# Altium PCB WordClock_v20.PcbDoc
Units mm, origin at the board's own origin, x right, y up, seen from the top; angles counter-clockwise.
Board outline 178 x 179 mm, 2 copper layers (Top Layer, Bottom Layer), stack 1.571 mm thick; 137 components, 77 nets, 367 pads, 33 vias.
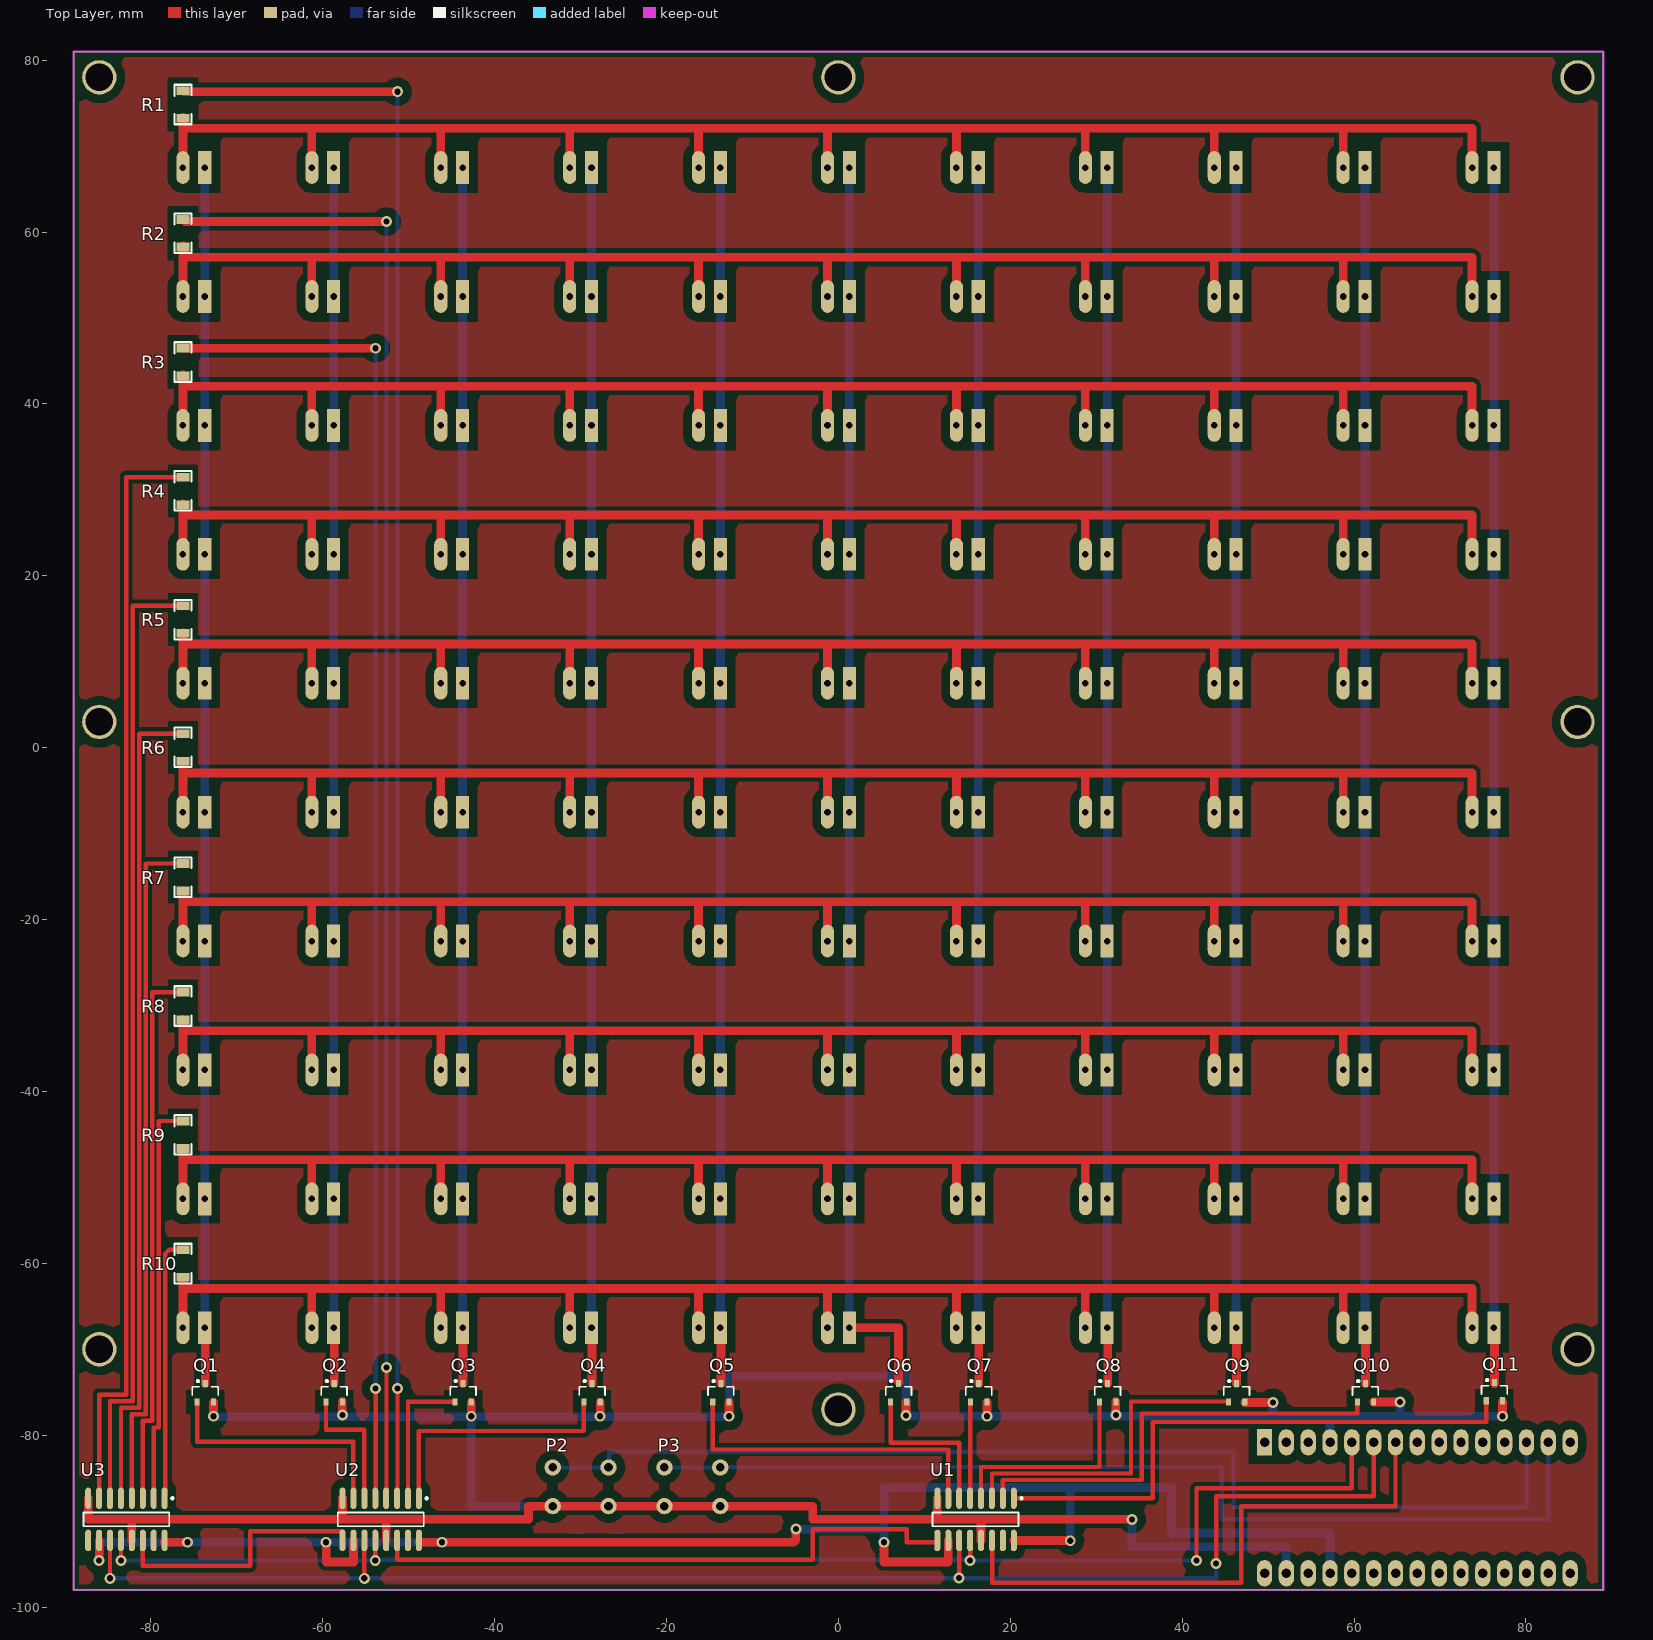
[diagram p0: Top Layer view]
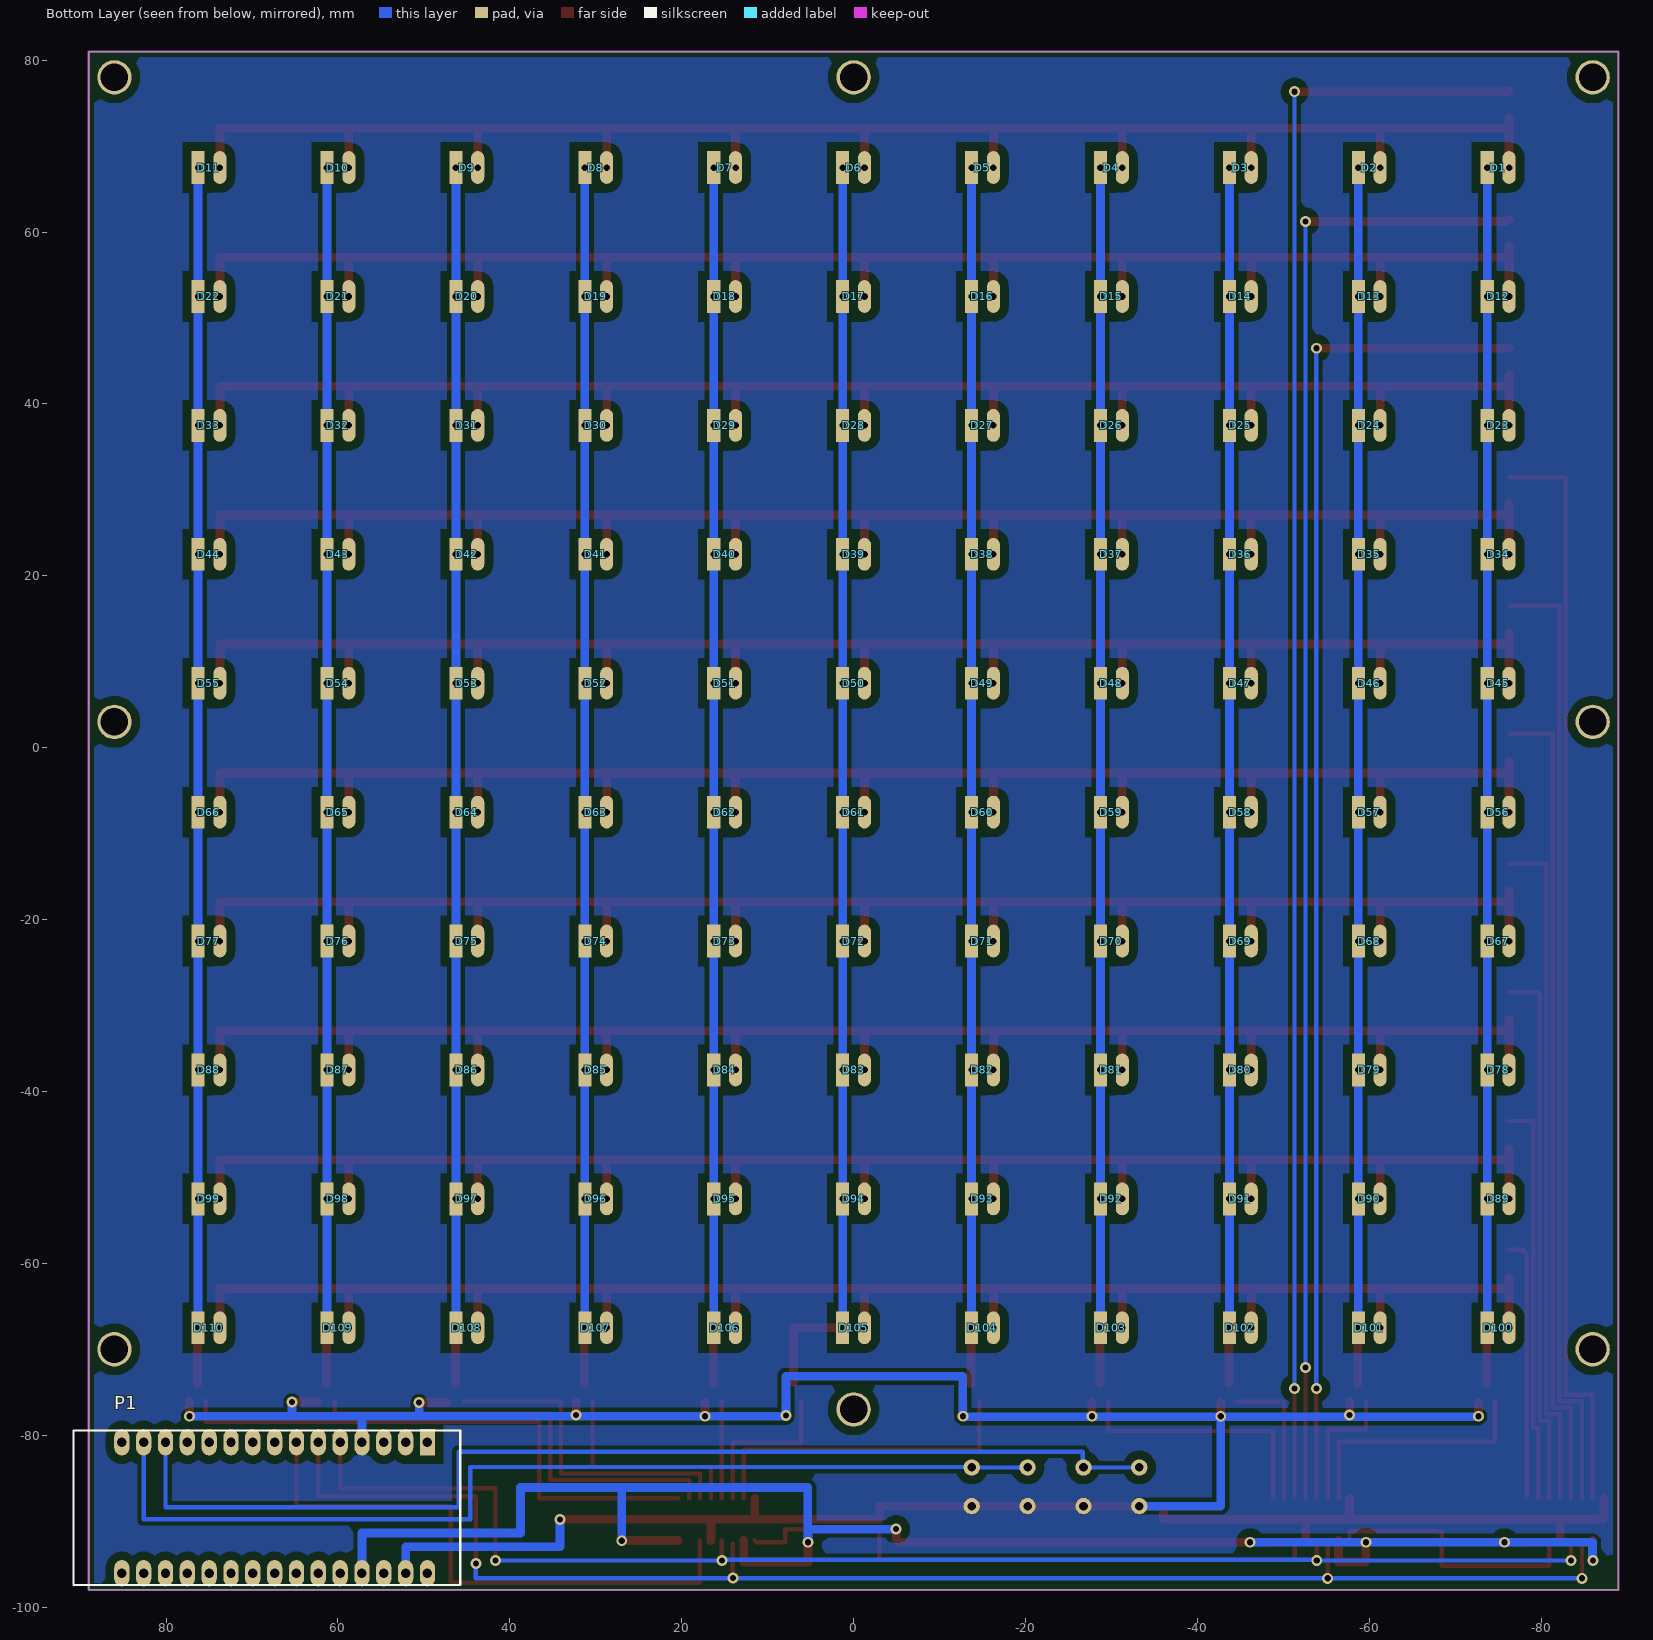
[diagram p1: Bottom Layer view, seen from below]

## Layer stack, top to bottom
Top Solder: solder mask 0.0102, Solder Resist, Dk 3.5
Top Layer: signal copper 0.0356
Dielectric1: core 1.5, FR-4, Dk 4.8
Bottom Layer: signal copper 0.0356
Bottom Solder: solder mask 0.0102, Solder Resist, Dk 3.5

## Board outline
-89,-98 -89,81 89,81 89,-98

## Design rules (kind name [scope] priority, off if disabled: settings)
AssemblyTestPointUsage [All] p1 off:
AssemblyTestpoint [All] p1 off: testpointundercomponent=TRUE minsize=1.016 maxsize=2.54 preferedsize=1.524 minholesize=0 maxholesize=1.016 preferedholesize=0.813 testpointgrid=0.025 usegrid=TRUE gridtolerance=0 allowsidetop=TRUE allowsidebottom=TRUE
Clearance [All] p1: gap=0.254 except(0.508: Track-Poly; 1.016: Arc-Poly SMDPad-Poly THPad-Poly Via-Via Via-Fill Via-Poly Via-Region Via-Text Fill-Poly Poly-Poly)
DiffPairsRouting [All] p1 off: maxlimit=0.254 minlimit=0.254 mostfreqgap=0.254 toplayer_minwidth=0.381 toplayer_maxwidth=0.381 toplayer_prefwidth=0.381 bottomlayer_minwidth=0.381 bottomlayer_maxwidth=0.381 bottomlayer_prefwidth=0.381 maxuncoupledlength=12.7
FabricationTestPointUsage [All] p1 off: valid=0 allowmultiple=FALSE
FabricationTestpoint [All] p1 off: side=3 testpointundercomponent=TRUE minsize=1.016 maxsize=2.54 preferedsize=1.524 minholesize=0 maxholesize=1.016 preferedholesize=0.813 testpointgrid=0.025 allowsidetop=TRUE allowsidebottom=TRUE usegrid=TRUE gridtolerance=0
FanoutControl Fanout_BGA [IsBGA] p1 off: bgadir=Out bgaviamode=Centered fanoutstyle=Auto fanoutdirection=Alternating viagrid=0.025 // Fanout_BGA (Default Rule)
FanoutControl Fanout_LCC [IsLCC] p2 off: bgadir=Out bgaviamode=Centered fanoutstyle=Auto fanoutdirection=Alternating viagrid=0.025 // Fanout_LCC (Default Rule)
FanoutControl Fanout_SOIC [IsSOIC] p3 off: bgadir=Out bgaviamode=Centered fanoutstyle=Auto fanoutdirection=Alternating viagrid=0.025 // Fanout_SOIC (Default Rule)
FanoutControl Fanout_Small [(CompPinCount < 5)] p4 off: bgadir=Out bgaviamode=Centered fanoutstyle=Auto fanoutdirection=OutThenIn viagrid=0.025 // Fanout_Small (Default Rule)
FanoutControl Fanout_Default [All] p5 off: bgadir=Out bgaviamode=Centered fanoutstyle=Auto fanoutdirection=Alternating viagrid=0.025 // Fanout_Default (Default Rule)
Height [All] p1 off: minheight=0 maxheight=25.4 prefheight=12.7
HoleSize [All] p1: absolutevalues=TRUE maxlimit=4 minlimit=0.025 maxpercent=80.000 minpercent=20.000
HoleToHoleClearance [All] p1 off: gap=0.254 allowstackedmicrovias=TRUE
LayerPairs [All] p1 off: enforce=TRUE
MinimumSolderMaskSliver [All] p1 off: minsoldermaskwidth=0.254
PasteMaskExpansion [All] p1 off: expansion=0
PlaneClearance [All] p1 off: clearance=0.508
PlaneConnect [All] p1 off: planeconnectstyle=Relief reliefexpansion=0.508 reliefentries=4 reliefconductorwidth=0.254 reliefairgap=0.254
PolygonConnect [All] p1 off: connectstyle=Relief reliefconductorwidth=0.254 reliefentries=4 polygonreliefangle="90 Angle" airgapwidth=0.254
RoutingCorners [All] p1 off: cornerstyle=90-Degree minsetback=0 maxsetback=0
RoutingPriority [All] p1 off: routingpriority=0
RoutingTopology [All] p1 off: topology=Shortest
RoutingVias [All] p1: holewidth=0.711 width=1.27 viastyle="Through Hole" minholewidth=0.711 minwidth=1.27 maxholewidth=0.711 maxwidth=1.27
SilkToBoardRegionClearance [All] p1 off:
SilkToSilkClearance [All] p1 off: silktosilkclearance=0.254
SilkToSolderMaskClearance SilkscreenOverComponentPads [IsPad] p1 off: minsilkscreentomaskgap=0.254 clearancetoexposedcopper=TRUE
SolderMaskExpansion [All] p1 off: expansion=0.102
UnpouredPolygon [All] p1 off:
Width [All] p1: maxlimit=1.016 minlimit=0.254 preferedwidth=0.254
5 further rules are at their usual default settings.

## Components (designator, comment, footprint, x,y, rotation, side; value= is the part's Value field where it differs from the comment)
D1 "LED3" LED5 -75,67.5 r0 bottom
D2 "LED3" LED5 -60,67.5 r0 bottom
D3 "LED3" LED5 -45,67.5 r0 bottom
D4 "LED3" LED5 -30,67.5 r0 bottom
D5 "LED3" LED5 -15,67.5 r0 bottom
D6 "LED3" LED5 0,67.5 r0 bottom
D7 "LED3" LED5 15,67.5 r0 bottom
D8 "LED3" LED5 30,67.5 r0 bottom
D9 "LED3" LED5 45,67.5 r0 bottom
D10 "LED3" LED5 60,67.5 r0 bottom
D11 "LED3" LED5 75,67.5 r0 bottom
D12 "LED3" LED5 -75,52.5 r0 bottom
D13 "LED3" LED5 -60,52.5 r0 bottom
D14 "LED3" LED5 -45,52.5 r0 bottom
D15 "LED3" LED5 -30,52.5 r0 bottom
D16 "LED3" LED5 -15,52.5 r0 bottom
D17 "LED3" LED5 0,52.5 r0 bottom
D18 "LED3" LED5 15,52.5 r0 bottom
D19 "LED3" LED5 30,52.5 r0 bottom
D20 "LED3" LED5 45,52.5 r0 bottom
D21 "LED3" LED5 60,52.5 r0 bottom
D22 "LED3" LED5 75,52.5 r0 bottom
D23 "LED3" LED5 -75,37.5 r0 bottom
D24 "LED3" LED5 -60,37.5 r0 bottom
D25 "LED3" LED5 -45,37.5 r0 bottom
D26 "LED3" LED5 -30,37.5 r0 bottom
D27 "LED3" LED5 -15,37.5 r0 bottom
D28 "LED3" LED5 0,37.5 r0 bottom
D29 "LED3" LED5 15,37.5 r0 bottom
D30 "LED3" LED5 30,37.5 r0 bottom
D31 "LED3" LED5 45,37.5 r0 bottom
D32 "LED3" LED5 60,37.5 r0 bottom
D33 "LED3" LED5 75,37.5 r0 bottom
D34 "LED3" LED5 -75,22.5 r0 bottom
D35 "LED3" LED5 -60,22.5 r0 bottom
D36 "LED3" LED5 -45,22.5 r0 bottom
D37 "LED3" LED5 -30,22.5 r0 bottom
D38 "LED3" LED5 -15,22.5 r0 bottom
D39 "LED3" LED5 0,22.5 r0 bottom
D40 "LED3" LED5 15,22.5 r0 bottom
D41 "LED3" LED5 30,22.5 r0 bottom
D42 "LED3" LED5 45,22.5 r0 bottom
D43 "LED3" LED5 60,22.5 r0 bottom
D44 "LED3" LED5 75,22.5 r0 bottom
D45 "LED3" LED5 -75,7.5 r0 bottom
D46 "LED3" LED5 -60,7.5 r0 bottom
D47 "LED3" LED5 -45,7.5 r0 bottom
D48 "LED3" LED5 -30,7.5 r0 bottom
D49 "LED3" LED5 -15,7.5 r0 bottom
D50 "LED3" LED5 0,7.5 r0 bottom
D51 "LED3" LED5 15,7.5 r0 bottom
D52 "LED3" LED5 30,7.5 r0 bottom
D53 "LED3" LED5 45,7.5 r0 bottom
D54 "LED3" LED5 60,7.5 r0 bottom
D55 "LED3" LED5 75,7.5 r0 bottom
D56 "LED3" LED5 -75,-7.5 r0 bottom
D57 "LED3" LED5 -60,-7.5 r0 bottom
D58 "LED3" LED5 -45,-7.5 r0 bottom
D59 "LED3" LED5 -30,-7.5 r0 bottom
D60 "LED3" LED5 -15,-7.5 r0 bottom
D61 "LED3" LED5 0,-7.5 r0 bottom
D62 "LED3" LED5 15,-7.5 r0 bottom
D63 "LED3" LED5 30,-7.5 r0 bottom
D64 "LED3" LED5 45,-7.5 r0 bottom
D65 "LED3" LED5 60,-7.5 r0 bottom
D66 "LED3" LED5 75,-7.5 r0 bottom
D67 "LED3" LED5 -75,-22.5 r0 bottom
D68 "LED3" LED5 -60,-22.5 r0 bottom
D69 "LED3" LED5 -45,-22.5 r0 bottom
D70 "LED3" LED5 -30,-22.5 r0 bottom
D71 "LED3" LED5 -15,-22.5 r0 bottom
D72 "LED3" LED5 0,-22.5 r0 bottom
D73 "LED3" LED5 15,-22.5 r0 bottom
D74 "LED3" LED5 30,-22.5 r0 bottom
D75 "LED3" LED5 45,-22.5 r0 bottom
D76 "LED3" LED5 60,-22.5 r0 bottom
D77 "LED3" LED5 75,-22.5 r0 bottom
D78 "LED3" LED5 -75,-37.5 r0 bottom
D79 "LED3" LED5 -60,-37.5 r0 bottom
D80 "LED3" LED5 -45,-37.5 r0 bottom
D81 "LED3" LED5 -30,-37.5 r0 bottom
D82 "LED3" LED5 -15,-37.5 r0 bottom
D83 "LED3" LED5 0,-37.5 r0 bottom
D84 "LED3" LED5 15,-37.5 r0 bottom
D85 "LED3" LED5 30,-37.5 r0 bottom
D86 "LED3" LED5 45,-37.5 r0 bottom
D87 "LED3" LED5 60,-37.5 r0 bottom
D88 "LED3" LED5 75,-37.5 r0 bottom
D89 "LED3" LED5 -75,-52.5 r0 bottom
D90 "LED3" LED5 -60,-52.5 r0 bottom
D91 "LED3" LED5 -45,-52.5 r0 bottom
D92 "LED3" LED5 -30,-52.5 r0 bottom
D93 "LED3" LED5 -15,-52.5 r0 bottom
D94 "LED3" LED5 0,-52.5 r0 bottom
D95 "LED3" LED5 15,-52.5 r0 bottom
D96 "LED3" LED5 30,-52.5 r0 bottom
D97 "LED3" LED5 45,-52.5 r0 bottom
D98 "LED3" LED5 60,-52.5 r0 bottom
D99 "LED3" LED5 75,-52.5 r0 bottom
D100 "LED3" LED5 -75,-67.5 r0 bottom
D101 "LED3" LED5 -60,-67.5 r0 bottom
D102 "LED3" LED5 -45,-67.5 r0 bottom
D103 "LED3" LED5 -30,-67.5 r0 bottom
D104 "LED3" LED5 -15,-67.5 r0 bottom
D105 "LED3" LED5 0,-67.5 r0 bottom
D106 "LED3" LED5 15,-67.5 r0 bottom
D107 "LED3" LED5 30,-67.5 r0 bottom
D108 "LED3" LED5 45,-67.5 r0 bottom
D109 "LED3" LED5 60,-67.5 r0 bottom
D110 "LED3" LED5 75,-67.5 r0 bottom
P1 "Arduino Nano" "Arduino Nano" 67.361,-88.443 r270 bottom
P2 "Header 2" "DTS 65N" -30,-86 r180 top
P3 "Header 2" "DTS 65N" -17,-86 r180 top
Q1 "" SOT23_L -73.673,-75.05 r90 top
Q2 "" SOT23_L -58.673,-75.05 r90 top
Q3 "" SOT23_L -43.673,-75.05 r90 top
Q4 "" SOT23_L -28.673,-75.05 r90 top
Q5 "" SOT23_L -13.673,-75.05 r90 top
Q6 "" SOT23_L 7,-75.05 r90 top
Q7 "" SOT23_L 16.327,-75.05 r90 top
Q8 "" SOT23_L 31.327,-75.05 r90 top
Q9 "" SOT23_L 46.327,-75.05 r90 top
Q10 "" SOT23_L 61.327,-75.05 r90 top
Q11 "" SOT23_L 76.327,-74.93 r90 top
R1 "Res2" SMD-1206 -76.27,74.803 r0 top
R2 "Res2" SMD-1206 -76.27,59.817 r0 top
R3 "Res2" SMD-1206 -76.27,44.831 r0 top
R4 "Res2" SMD-1206 -76.27,29.845 r0 top
R5 "Res2" SMD-1206 -76.27,14.859 r0 top
R6 "Res2" SMD-1206 -76.27,0 r0 top
R7 "Res2" SMD-1206 -76.27,-15.113 r0 top
R8 "Res2" SMD-1206 -76.27,-30.099 r0 top
R9 "Res2" SMD-1206 -76.27,-45.085 r0 top
R10 "Res2" SMD-1206 -76.27,-60.071 r0 top
U1 "74HC595" SOIC16_M 15.957,-89.789 r270 top
U2 "74HC595" SOIC16_M -53.258,-89.789 r270 top
U3 "74HC595" SOIC16_M -82.849,-89.789 r270 top

## Footprints (in the part's own frame and the unit in brackets; to place one, negate y for a bottom-side part, rotate by r counter-clockwise, add the part's x,y. Pads: shape width x height; smd on the part's side, far side on the other; paste and mask are expansions set on the pad)
"Arduino Nano" [mil]
  rect 120x70 hole 43.31: 1(-300,700)
  oval 120x70 hole 43.31: 2(-300,600) 3(-300,500) 4(-300,400) 5(-300,300) 6(-300,200) 7(-300,100) 8(-300,0) 9(-300,-100) 10(-300,-200) 11(-300,-300) 12(-300,-400) 13(-300,-500) 14(-300,-600) 15(-300,-700) 16(300,-700) 17(300,-600) 18(300,-500) 19(300,-400) 20(300,-300) 21(300,-200) 22(300,-100) 23(300,0) 24(300,100) 25(300,200) 26(300,300) 27(300,400) 28(300,500) 29(300,600) 30(300,700)
  silkscreen extent -354,-921 354,850, body extent -354,-921 354,850, height 501
"DTS 65N" [mm]
  round 1.905 hole 1: 1(-3.25,2.25) 1(3.25,2.25) 2(-3.25,-2.25) 2(3.25,-2.25)
  body extent -4.11,-3 4.11,3, height 9.4
LED5 [mil]
  oval 60x150 hole 30: 1(-50,0)
  rect 60x150 hole 30: 2(50,0)
  body extent -98,-98 98,98, height 295
SMD-1206 [mm] "1206 Standard Surface Mount Chip"
  rect 1.5x1 smd: 1(0.008,-1.558) 2(0.008,1.642)
  silkscreen extent -0.99,-2.26 1.01,2.34, body extent -0.84,-1.6 0.86,1.7, height 0.45
SOIC16_M [mm] "SOIC, 16-Leads, Body 9.9x3.9mm, Pitch 1.27mm, IPC Low Density"
  oval 2.5x0.7 smd: 1(-2.45,4.445) 2(-2.45,3.175) 3(-2.45,1.905) 4(-2.45,0.635) 5(-2.45,-0.635) 6(-2.45,-1.905) 7(-2.45,-3.175) 8(-2.45,-4.445) 9(2.45,-4.445) 10(2.45,-3.175) 11(2.45,-1.905) 12(2.45,-0.635) 13(2.45,0.635) 14(2.45,1.905) 15(2.45,3.175) 16(2.45,4.445)
  silkscreen extent -2.57,-5 0.8,5.47, body extent -2,-5 2,5, height 1.91
SOT23_L [mm] "SOT23, 3-Leads, Body 2.9x1.3mm, Pitch 0.95mm, Lead Span 2.3mm - Reverse Pinning, IPC High Density"
  rect 0.85x0.6 smd: 1(1.075,0) 2(-1.075,-0.95) 3(-1.075,0.95)
  silkscreen extent -0.3,-1.5 1.47,1.5, body extent -0.7,-1.5 0.7,1.5, height 1.1

## Part data
D1 D2 D3 D4 D5 D6 D7 D8 D9 D10 D11 D12 D13 D14 D15 D16 D17 D18 D19 D20 D21 D22 D23 D24 D25 D26 D27 D28 D29 D30 D31 D32 D33 D34 D35 D36 D37 D38 D39 D40 D41 D42 D43 D44 D45 D46 D47 D48 D49 D50 D51 D52 D53 D54 D55 D56 D57 D58 D59 D60 D61 D62 D63 D64 D65 D66 D67 D68 D69 D70 D71 D72 D73 D74 D75 D76 D77 D78 D79 D80 D81 D82 D83 D84 D85 D86 D87 D88 D89 D90 D91 D92 D93 D94 D95 D96 D97 D98 D99 D100 D101 D102 D103 D104 D105 D106 D107 D108 D109 D110: "Typical BLUE SiC LED"
P2 P3: "Header, 2-Pin"
Q1 Q2 Q3 Q4 Q5 Q6 Q7 Q8 Q9 Q10 Q11: library part MOSFET-N
R1 R2 R3 R4 R5 R6 R7 R8 R9 R10: "Resistor"

## Free pads (board coordinates)
  round 4 hole 3.2: 2(-86,-70) 2(-86,3) 2(-86,78) 2(0,-77) 2(0,78) 2(86,-70) 2(86,3) 2(86,78)

## Via types
v1: diameter 1.27, hole 0.711, Top Layer to Bottom Layer, 33 vias

## Nets (pads, with @x,y where several pads share a name; then routed paths per layer and width w, separated by ;. In a path a pad name is that pad's centre, name@x,y a point inside that pad or via, vN(x,y) a via of type N, cw(c..) or ccw(c..) an arc to the next point about the centre after c; other vN are vias at no path point)
ANODE1: R1.2 U2.3 | length 188.8
  Top Layer w0.508: U2.3@-51.308,-87.294 v1(-51.308,-74.549)
  Top Layer w1.016: R1.2 -76.144,76.327 v1(-51.308,76.327)
  Bottom Layer w0.508: v1@-51.308,-74.676 v1(-51.308,76.327)
ANODE2: R2.2 U2.4 | length 172.5
  Top Layer w0.508: U2.4 -52.578,-87.294 v1(-52.578,-72.136)
  Top Layer w1.016: R2.2 -76.017,61.214 v1(-52.578,61.214)
  Bottom Layer w0.508: v1(-52.578,-72.136) v1@-52.578,61.341
ANODE3: R3.2 U2.5 | length 156.2
  Top Layer w0.508: U2.5@-53.857,-87.303 -53.848,-87.294 v1(-53.848,-74.549)
  Top Layer w1.016: R3.2 v1(-53.857,46.473)
  Bottom Layer w0.508: v1(-53.857,46.473) -53.848,46.464 v1(-53.848,-74.549)
ANODE4: R4.2 U3.7 | length 128.6
  Top Layer w0.508: U3.7 -86.024,-75.286 -82.88,-75.286 -82.88,31.487 R4.2
ANODE5: R5.2 U3.6 | length 112.3
  Top Layer w0.508: U3.6 -84.754,-76.048 -82.118,-76.048 -82.118,16.501 R5.2
ANODE6: R6.2 U3.5 | length 96.2
  Top Layer w0.508: U3.5 -83.484,-76.81 -81.356,-76.81 -81.356,1.642 R6.2
ANODE7: R7.2 U3.4 | length 79.8
  Top Layer w0.508: U3.4 -82.214,-77.572 -80.594,-77.572 -80.594,-13.471 R7.2
ANODE8: R8.2 U3.3 | length 63.6
  Top Layer w0.508: U3.3 -80.944,-78.334 -79.832,-78.334 -79.832,-28.457 R8.2
ANODE9: R9.2 U3.2 | length 47.3
  Top Layer w0.508: U3.2 -79.674,-79.096 -79.07,-79.096 -79.07,-43.443 R9.2
ANODE10: R10.2 U3.1 | length 30.6
  Top Layer w0.508: U3.1@-78.308,-87.243 -78.308,-58.866 -77.871,-58.429 R10.2
BUTTON1: P1.14 P3.2 | length 118
  Bottom Layer w0.508: P3.2@-20.25,-83.75 -13.75,-83.75 -13.75,-83.693 44.612,-83.693 44.612,-89.658 ; 44.577,-89.658 44.577,-89.789 82.601,-89.789 P1.14
BUTTON2: P1.13 P2.2 | length 129.1
  Bottom Layer w0.508: P2.2@-33.25,-83.75 -26.75,-83.75 -26.67,-83.67 -26.67,-81.915 45.974,-81.915 45.974,-88.392 80.061,-88.392 P1.13
CATHODE1: Q1.3 U2.7 | length 29.4
  Top Layer w0.508: Q1.3 -74.623,-80.772 -56.433,-80.772 U2.7
CATHODE2: Q2.3 U2.6 | length 15.7
  Top Layer w0.508: Q2.3 -59.623,-79.375 -55.163,-79.375 U2.6
CATHODE3: Q3.3 U2.2 | length 16.7
  Top Layer w0.508: U2.2 -50.083,-76.125 Q3.3
CATHODE4: Q4.3 U2.1 | length 30.4
  Top Layer w0.508: U2.1 -48.813,-79.502 -29.623,-79.502 Q4.3
CATHODE5: Q5.3 U1.7 | length 38.6
  Top Layer w0.508: Q5.3 -14.623,-81.657 12.782,-81.657 U1.7
CATHODE6: Q6.3 U1.6 | length 19.2
  Top Layer w0.508: Q6.3@6.096,-76.125 6.096,-80.895 14.052,-80.895 U1.6
CATHODE7: Q7.3 U1.5 | length 11.3
  Top Layer w0.508: U1.5 Q7.3@15.322,-76.075
CATHODE8: Q8.3 U1.4 | length 25
  Top Layer w0.508: U1.4 16.592,-83.693 30.377,-83.693 Q8.3
CATHODE9: Q9.3 U1.3 | length 38.7
  Top Layer w0.508: U1.3 17.862,-84.455 34.036,-84.455 34.036,-76.073 Q9.3@45.325,-76.073
CATHODE10: Q10.3 U1.2 | length 52.5
  Top Layer w0.508: U1.2 19.132,-85.217 35.306,-85.217 35.306,-77.47 60.377,-77.47 Q10.3
CATHODE11: Q11.3 U1.1 | length 66.3
  Top Layer w0.508: U1.1 36.576,-87.339 36.576,-78.461 75.377,-78.461 Q11.3
DS: P1.7 U1.14 | length 68.2
  Top Layer w0.508: U1.14@17.907,-92.239 17.907,-97.155 46.863,-97.155 46.863,-88.265 64.821,-88.265 P1.7
GND: P1.4 P1.29 P2.1 P3.1 Q1.2 Q2.2 Q3.2 Q4.2 Q5.2 Q6.2 Q7.2 Q8.2 Q9.2 Q10.2 Q11.2 U1.8 U1.13 U2.8 U2.13 U3.8 U3.13 | length 369.8
  Top Layer w1.016: U3.8 -87.294,-89.789 -57.703,-89.789 ; U3.13 -82.214,-89.834 ; v1(-72.723,-77.794) Q1.2@-72.723,-76.195 ; v1(-57.723,-77.663) Q2.2@-57.723,-76.068 ; U2.8 -57.703,-89.789 ; U2.13 -52.623,-89.834 ; v1(-42.723,-77.79) Q3.2@-42.723,-76.195 ; v1(-27.723,-77.79) Q4.2@-27.723,-76.195 ; v1(-12.723,-77.79) Q5.2@-12.723,-76.195 ; v1@7.865,-77.79 Q6.2@7.865,-76.195 ; 11.512,-89.707 U1.8 ; U1.13 16.592,-89.834 16.547,-89.789 ; v1(17.277,-77.79) Q7.2@17.277,-76.195 ; v1(32.277,-77.663) Q8.2@32.277,-76.068 ; v1(34.163,-89.789) 16.547,-89.789 ; Q9.2@47.277,-76.195 47.282,-76.2 v1(50.546,-76.2) ; Q10.2 v1@65.353,-76.125 ; v1(77.277,-77.794) Q11.2@77.277,-76.075 ; -57.703,-89.789 -36.068,-89.789 -36.068,-88.265 -3,-88.265 -3,-89.789 16.547,-89.789
  Bottom Layer w0.508: v1@-27.723,-77.851 v1(-27.723,-77.79)
  Bottom Layer w1.016: v1(-72.723,-77.794) -72.666,-77.851 v1@-42.723,-77.851 ; v1(-42.723,-77.79) v1@-42.723,-77.851 ; P2.1@-33.25,-88.25 -42.723,-88.25 v1@-42.723,-77.851 ; v1@-12.723,-77.794 -12.7,-77.794 -12.7,-73.152 7.874,-73.152 7.874,-77.794 50.546,-77.794 ; v1(-12.723,-77.79) -12.723,-77.851 -27.723,-77.851 v1@-42.723,-77.851 ; v1(34.163,-89.789) 34.163,-92.964 52.121,-92.964 P1.29 ; v1(50.546,-76.2) 50.546,-77.794 ; P1.4 57.201,-77.896 57.099,-77.794 ; v1(65.354,-76.124) 65.354,-77.743 65.303,-77.794 ; v1(77.277,-77.794) 65.303,-77.794 ; 50.546,-77.794 57.099,-77.794 ; 57.099,-77.794 65.303,-77.794
  other v1: 7.874,-77.724
NetD1_1: D1.1 D2.1 D3.1 D4.1 D5.1 D6.1 D7.1 D8.1 D9.1 D10.1 D11.1 R1.1 | length 201.5
  Top Layer w1.016: D1.1 -76.27,72.066 ; R1.1@-76.27,73.363 -76.27,72.066 ; D2.1 -61.27,72.066 ; D3.1 -46.27,72.066 ; D4.1 -31.27,72.066 ; D5.1 -16.27,72.066 ; D6.1 -1.27,72.066 ; D7.1 13.73,72.066 ; D8.1 28.73,72.066 ; D9.1 43.73,72.066 ; D10.1 58.73,72.066 ; D11.1 73.73,72.066 58.73,72.066 ; -76.27,72.066 -61.27,72.066 ; -61.27,72.066 -46.27,72.066 ; -46.27,72.066 -31.27,72.066 ; -31.27,72.066 -16.27,72.066 ; -16.27,72.066 -1.27,72.066 ; -1.27,72.066 13.73,72.066 ; 13.73,72.066 28.73,72.066 ; 28.73,72.066 43.73,72.066 ; 43.73,72.066 58.73,72.066
NetD1_2: D1.2 D12.2 D23.2 D34.2 D45.2 D56.2 D67.2 D78.2 D89.2 D100.2 Q1.1 | length 141.5
  Top Layer w1.016: D100.2 -73.673,-67.557 Q1.1
  Bottom Layer w1.016: D100.2 D89.2 D78.2 D67.2 D56.2 D45.2 D34.2 D23.2 D12.2 D1.2
NetD2_2: D2.2 D13.2 D24.2 D35.2 D46.2 D57.2 D68.2 D79.2 D90.2 D101.2 Q2.1 | length 141.4
  Top Layer w1.016: Q2.1 D101.2@-58.673,-67.557
  Bottom Layer w1.016: D101.2 D90.2 D79.2 D68.2 D57.2 D46.2 D35.2 D24.2 D13.2 D2.2
NetD3_2: D3.2 D14.2 D25.2 D36.2 D47.2 D58.2 D69.2 D80.2 D91.2 D102.2 Q3.1 | length 141.4
  Top Layer w1.016: Q3.1 D102.2@-43.673,-67.557
  Bottom Layer w1.016: D102.2 D91.2 D80.2 D69.2 D58.2 D47.2 D36.2 D25.2 D14.2 D3.2
NetD4_2: D4.2 D15.2 D26.2 D37.2 D48.2 D59.2 D70.2 D81.2 D92.2 D103.2 Q4.1 | length 141.4
  Top Layer w1.016: Q4.1 D103.2@-28.673,-67.557
  Bottom Layer w1.016: D103.2 D92.2 D81.2 D70.2 D59.2 D48.2 D37.2 D26.2 D15.2 D4.2
NetD5_2: D5.2 D16.2 D27.2 D38.2 D49.2 D60.2 D71.2 D82.2 D93.2 D104.2 Q5.1 | length 141.4
  Top Layer w1.016: Q5.1 D104.2@-13.673,-67.557
  Bottom Layer w1.016: D104.2 D93.2 D82.2 D71.2 D60.2 D49.2 D38.2 D27.2 D16.2 D5.2
NetD6_2: D6.2 D17.2 D28.2 D39.2 D50.2 D61.2 D72.2 D83.2 D94.2 D105.2 Q6.1 | length 147.1
  Top Layer w1.016: D105.2 6.985,-67.5 6.985,-73.791 Q6.1@7.042,-73.848
  Bottom Layer w1.016: D105.2 D94.2 D83.2 D72.2 D61.2 D50.2 D39.2 D28.2 D17.2 D6.2
NetD7_2: D7.2 D18.2 D29.2 D40.2 D51.2 D62.2 D73.2 D84.2 D95.2 D106.2 Q7.1 | length 141.4
  Top Layer w1.016: Q7.1 D106.2@16.327,-67.557
  Bottom Layer w1.016: D106.2 D95.2 D84.2 D73.2 D62.2 D51.2 D40.2 D29.2 D18.2 D7.2
NetD8_2: D8.2 D19.2 D30.2 D41.2 D52.2 D63.2 D74.2 D85.2 D96.2 D107.2 Q8.1 | length 141.4
  Top Layer w1.016: Q8.1 D107.2@31.327,-67.557
  Bottom Layer w1.016: D107.2 D96.2 D85.2 D74.2 D63.2 D52.2 D41.2 D30.2 D19.2 D8.2
NetD9_2: D9.2 D20.2 D31.2 D42.2 D53.2 D64.2 D75.2 D86.2 D97.2 D108.2 Q9.1 | length 141.4
  Top Layer w1.016: Q9.1 D108.2@46.327,-67.557
  Bottom Layer w1.016: D108.2 D97.2 D86.2 D75.2 D64.2 D53.2 D42.2 D31.2 D20.2 D9.2
NetD10_2: D10.2 D21.2 D32.2 D43.2 D54.2 D65.2 D76.2 D87.2 D98.2 D109.2 Q10.1 | length 141.4
  Top Layer w1.016: Q10.1 D109.2@61.327,-67.557
  Bottom Layer w1.016: D109.2 D98.2 D87.2 D76.2 D65.2 D54.2 D43.2 D32.2 D21.2 D10.2
NetD11_2: D11.2 D22.2 D33.2 D44.2 D55.2 D66.2 D77.2 D88.2 D99.2 D110.2 Q11.1 | length 141.4
  Top Layer w1.016: Q11.1@76.327,-73.975 D110.2@76.327,-67.557
  Bottom Layer w1.016: D110.2 D99.2 D88.2 D77.2 D66.2 D55.2 D44.2 D33.2 D22.2 D11.2
NetD12_1: D12.1 D13.1 D14.1 D15.1 D16.1 D17.1 D18.1 D19.1 D20.1 D21.1 D22.1 R2.1 | length 201.5
  Top Layer w1.016: D12.1 -76.27,57.066 ; R2.1@-76.27,58.363 -76.27,57.066 ; D13.1 -61.27,57.066 ; D14.1 -46.27,57.066 ; D15.1 -31.27,57.066 ; D16.1 -16.27,57.066 ; D17.1 -1.27,57.066 ; D18.1 13.73,57.066 ; D19.1 28.73,57.066 ; D20.1 43.73,57.066 ; D21.1 58.73,57.066 ; D22.1 73.73,57.066 58.73,57.066 ; -76.27,57.066 -61.27,57.066 ; -61.27,57.066 -46.27,57.066 ; -46.27,57.066 -31.27,57.066 ; -31.27,57.066 -16.27,57.066 ; -16.27,57.066 -1.27,57.066 ; -1.27,57.066 13.73,57.066 ; 13.73,57.066 28.73,57.066 ; 28.73,57.066 43.73,57.066 ; 43.73,57.066 58.73,57.066
NetD23_1: D23.1 D24.1 D25.1 D26.1 D27.1 D28.1 D29.1 D30.1 D31.1 D32.1 D33.1 R3.1 | length 201.5
  Top Layer w1.016: D23.1 -76.27,42.066 ; R3.1@-76.27,43.363 -76.27,42.066 ; D24.1 -61.27,42.066 ; D25.1 -46.27,42.066 ; D26.1 -31.27,42.066 ; D27.1 -16.27,42.066 ; D28.1 -1.27,42.066 ; D29.1 13.73,42.066 ; D30.1 28.73,42.066 ; D31.1 43.73,42.066 ; D32.1 58.73,42.066 ; D33.1 73.73,42.066 58.73,42.066 ; -76.27,42.066 -61.27,42.066 ; -61.27,42.066 -46.27,42.066 ; -46.27,42.066 -31.27,42.066 ; -31.27,42.066 -16.27,42.066 ; -16.27,42.066 -1.27,42.066 ; -1.27,42.066 13.73,42.066 ; 13.73,42.066 28.73,42.066 ; 28.73,42.066 43.73,42.066 ; 43.73,42.066 58.73,42.066
NetD34_1: D34.1 D35.1 D36.1 D37.1 D38.1 D39.1 D40.1 D41.1 D42.1 D43.1 D44.1 R4.1 | length 201.5
  Top Layer w1.016: D34.1 -76.27,27.066 ; R4.1@-76.27,28.363 -76.27,27.066 ; D35.1 -61.27,27.066 ; D36.1 -46.27,27.066 ; D37.1 -31.27,27.066 ; D38.1 -16.27,27.066 ; D39.1 -1.27,27.066 ; D40.1 13.73,27.066 ; D41.1 28.73,27.066 ; D42.1 43.73,27.066 ; D43.1 58.73,27.066 ; D44.1 73.73,27.066 58.73,27.066 ; -76.27,27.066 -61.27,27.066 ; -61.27,27.066 -46.27,27.066 ; -46.27,27.066 -31.27,27.066 ; -31.27,27.066 -16.27,27.066 ; -16.27,27.066 -1.27,27.066 ; -1.27,27.066 13.73,27.066 ; 13.73,27.066 28.73,27.066 ; 28.73,27.066 43.73,27.066 ; 43.73,27.066 58.73,27.066
NetD45_1: D45.1 D46.1 D47.1 D48.1 D49.1 D50.1 D51.1 D52.1 D53.1 D54.1 D55.1 R5.1 | length 201.5
  Top Layer w1.016: D45.1 -76.27,12.066 ; R5.1@-76.27,13.363 -76.27,12.066 ; D46.1 -61.27,12.066 ; D47.1 -46.27,12.066 ; D48.1 -31.27,12.066 ; D49.1 -16.27,12.066 ; D50.1 -1.27,12.066 ; D51.1 13.73,12.066 ; D52.1 28.73,12.066 ; D53.1 43.73,12.066 ; D54.1 58.73,12.066 ; D55.1 73.73,12.066 58.73,12.066 ; -76.27,12.066 -61.27,12.066 ; -61.27,12.066 -46.27,12.066 ; -46.27,12.066 -31.27,12.066 ; -31.27,12.066 -16.27,12.066 ; -16.27,12.066 -1.27,12.066 ; -1.27,12.066 13.73,12.066 ; 13.73,12.066 28.73,12.066 ; 28.73,12.066 43.73,12.066 ; 43.73,12.066 58.73,12.066
NetD56_1: D56.1 D57.1 D58.1 D59.1 D60.1 D61.1 D62.1 D63.1 D64.1 D65.1 D66.1 R6.1 | length 201.5
  Top Layer w1.016: D56.1 -76.27,-2.934 ; R6.1@-76.27,-1.637 -76.27,-2.934 ; D57.1 -61.27,-2.934 ; D58.1 -46.27,-2.934 ; D59.1 -31.27,-2.934 ; D60.1 -16.27,-2.934 ; D61.1 -1.27,-2.934 ; D62.1 13.73,-2.934 ; D63.1 28.73,-2.934 ; D64.1 43.73,-2.934 ; D65.1 58.73,-2.934 ; D66.1 73.73,-2.934 58.73,-2.934 ; -76.27,-2.934 -61.27,-2.934 ; -61.27,-2.934 -46.27,-2.934 ; -46.27,-2.934 -31.27,-2.934 ; -31.27,-2.934 -16.27,-2.934 ; -16.27,-2.934 -1.27,-2.934 ; -1.27,-2.934 13.73,-2.934 ; 13.73,-2.934 28.73,-2.934 ; 28.73,-2.934 43.73,-2.934 ; 43.73,-2.934 58.73,-2.934
NetD67_1: D67.1 D68.1 D69.1 D70.1 D71.1 D72.1 D73.1 D74.1 D75.1 D76.1 D77.1 R7.1 | length 201.5
  Top Layer w1.016: D67.1 -76.27,-17.934 ; R7.1@-76.27,-16.637 -76.27,-17.934 ; D68.1 -61.27,-17.934 ; D69.1 -46.27,-17.934 ; D70.1 -31.27,-17.934 ; D71.1 -16.27,-17.934 ; D72.1 -1.27,-17.934 ; D73.1 13.73,-17.934 ; D74.1 28.73,-17.934 ; D75.1 43.73,-17.934 ; D76.1 58.73,-17.934 ; D77.1 73.73,-17.934 58.73,-17.934 ; -76.27,-17.934 -61.27,-17.934 ; -61.27,-17.934 -46.27,-17.934 ; -46.27,-17.934 -31.27,-17.934 ; -31.27,-17.934 -16.27,-17.934 ; -16.27,-17.934 -1.27,-17.934 ; -1.27,-17.934 13.73,-17.934 ; 13.73,-17.934 28.73,-17.934 ; 28.73,-17.934 43.73,-17.934 ; 43.73,-17.934 58.73,-17.934
NetD78_1: D78.1 D79.1 D80.1 D81.1 D82.1 D83.1 D84.1 D85.1 D86.1 D87.1 D88.1 R8.1 | length 201.5
  Top Layer w1.016: D78.1 -76.27,-32.934 ; R8.1@-76.27,-31.637 -76.27,-32.934 ; D79.1 -61.27,-32.934 ; D80.1 -46.27,-32.934 ; D81.1 -31.27,-32.934 ; D82.1 -16.27,-32.934 ; D83.1 -1.27,-32.934 ; D84.1 13.73,-32.934 ; D85.1 28.73,-32.934 ; D86.1 43.73,-32.934 ; D87.1 58.73,-32.934 ; D88.1 73.73,-32.934 58.73,-32.934 ; -76.27,-32.934 -61.27,-32.934 ; -61.27,-32.934 -46.27,-32.934 ; -46.27,-32.934 -31.27,-32.934 ; -31.27,-32.934 -16.27,-32.934 ; -16.27,-32.934 -1.27,-32.934 ; -1.27,-32.934 13.73,-32.934 ; 13.73,-32.934 28.73,-32.934 ; 28.73,-32.934 43.73,-32.934 ; 43.73,-32.934 58.73,-32.934
NetD89_1: D89.1 D90.1 D91.1 D92.1 D93.1 D94.1 D95.1 D96.1 D97.1 D98.1 D99.1 R9.1 | length 201.5
  Top Layer w1.016: D89.1 -76.27,-47.934 ; R9.1@-76.27,-46.637 -76.27,-47.934 ; D90.1 -61.27,-47.934 ; D91.1 -46.27,-47.934 ; D92.1 -31.27,-47.934 ; D93.1 -16.27,-47.934 ; D94.1 -1.27,-47.934 ; D95.1 13.73,-47.934 ; D96.1 28.73,-47.934 ; D97.1 43.73,-47.934 ; D98.1 58.73,-47.934 ; D99.1 73.73,-47.934 58.73,-47.934 ; -76.27,-47.934 -61.27,-47.934 ; -61.27,-47.934 -46.27,-47.934 ; -46.27,-47.934 -31.27,-47.934 ; -31.27,-47.934 -16.27,-47.934 ; -16.27,-47.934 -1.27,-47.934 ; -1.27,-47.934 13.73,-47.934 ; 13.73,-47.934 28.73,-47.934 ; 28.73,-47.934 43.73,-47.934 ; 43.73,-47.934 58.73,-47.934
NetD100_1: D100.1 D101.1 D102.1 D103.1 D104.1 D105.1 D106.1 D107.1 D108.1 D109.1 D110.1 R10.1 | length 201.5
  Top Layer w1.016: D100.1 -76.27,-62.934 ; R10.1 -76.27,-61.637 -76.27,-62.934 ; D101.1 -61.27,-62.934 ; D102.1 -46.27,-62.934 ; D103.1 -31.27,-62.934 ; D104.1 -16.27,-62.934 ; D105.1 -1.27,-62.934 ; D106.1 13.73,-62.934 ; D107.1 28.73,-62.934 ; D108.1 43.73,-62.934 ; D109.1 58.73,-62.934 ; D110.1 73.73,-62.934 58.73,-62.934 ; -76.27,-62.934 -61.27,-62.934 ; -61.27,-62.934 -46.27,-62.934 ; -46.27,-62.934 -31.27,-62.934 ; -31.27,-62.934 -16.27,-62.934 ; -16.27,-62.934 -1.27,-62.934 ; -1.27,-62.934 13.73,-62.934 ; 13.73,-62.934 28.73,-62.934 ; 28.73,-62.934 43.73,-62.934 ; 43.73,-62.934 58.73,-62.934
NetP1_1: P1.1
NetP1_2: P1.2
NetP1_3: P1.3
NetP1_8: P1.8
NetP1_9: P1.9
NetP1_10: P1.10
NetP1_11: P1.11
NetP1_12: P1.12
NetP1_15: P1.15
NetP1_16: P1.16
NetP1_17: P1.17
NetP1_18: P1.18
NetP1_19: P1.19
NetP1_20: P1.20
NetP1_21: P1.21
NetP1_22: P1.22
NetP1_23: P1.23
NetP1_24: P1.24
NetP1_25: P1.25
NetP1_26: P1.26
NetP1_28: P1.28
NetP1_30: P1.30
NetU1_9: U1.9 U2.14 | length 70.3
  Top Layer w0.508: U2.14 -51.353,-94.488 -3,-94.488 -3,-90.932 7.956,-90.932 7.956,-92.456 11.295,-92.456 U1.9
NetU1_15: U1.15
NetU2_9: U2.9 U3.14 | length 31.3
  Top Layer w0.508: U3.14 -80.944,-95.205 -68.453,-95.205 -68.453,-91.186 -57.703,-91.186 U2.9
NetU2_15: U2.15
NetU3_9: U3.9
NetU3_15: U3.15
SHCP: P1.6 U1.11 U2.11 U3.11 | length 175.1
  Top Layer w0.508: v1(-84.76,-96.647) -84.76,-92.245 U3.11 ; -55.163,-96.012 U2.11 ; v1(14.046,-96.622) U1.11@14.046,-92.64 ; v1@43.942,-94.894 43.942,-87.122 62.281,-87.122 P1.6
  Bottom Layer w0.508: v1@-84.76,-96.622 v1(14.046,-96.622) 43.942,-96.622 v1@43.942,-94.844
  other v1: -55.169,-96.647 43.942,-94.92
STCP: P1.5 U1.12 U2.12 U3.12 | length 164
  Top Layer w0.508: v1(-83.484,-94.57) U3.12 ; v1(-53.893,-94.57) U2.12 ; v1(15.322,-94.57) U1.12 ; v1(41.656,-94.57) 41.656,-86.182 59.741,-86.182 P1.5
  Bottom Layer w0.508: v1(-83.484,-94.57) v1(-53.893,-94.57) -53.823,-94.5 15.252,-94.5 v1(15.322,-94.57) v1(41.656,-94.57)
VCC: P1.27 U1.10 U1.16 U2.10 U2.16 U3.10 U3.16 | length 205.3
  Top Layer w1.016: v1(-86.024,-94.57) U3.10 ; U3.16@-78.404,-92.456 v1(-75.737,-92.456) ; v1(-59.608,-92.456) -59.608,-94.742 -56.433,-94.742 U2.10 ; U2.16@-48.813,-92.456 v1(-46.146,-92.456) -30.969,-92.456 -30.96,-92.465 -29.54,-92.465 -29.531,-92.456 -26.469,-92.456 -26.46,-92.465 -25.04,-92.465 -25.031,-92.456 -5.207,-92.456 -4.953,-92.202 v1(-4.953,-90.932) ; v1(5.289,-92.456) 5.289,-94.742 12.782,-94.742 U1.10 ; U1.16 26.936,-92.239 v1(26.975,-92.278)
  Bottom Layer w1.016: v1@-85.979,-94.57 -85.979,-92.456 v1(-75.737,-92.456) v1(-59.608,-92.456) v1(-46.146,-92.456) ; v1(-4.953,-90.932) 5.289,-90.932 v1(5.289,-92.456) 5.334,-92.456 5.334,-86.081 26.924,-86.081 ; v1(26.975,-92.278) 26.975,-86.131 26.924,-86.081 ; P1.27 57.201,-91.364 38.76,-91.364 38.76,-86.081 26.924,-86.081

## Polygon pours and split planes (outlines as drawn)
GND on Bottom Layer "Top Layer-No Net" (solid, remove dead copper, pour order 0): 89,-98 -89,-98 -89,81 89,81
no net on Top Layer "Top Layer-No Net" (solid, pour order 2): 89,-98 -89,-98 -89,81 89,81

## Keep-outs
Keep-Out Layer:
  the board outline again, w0.254